# Altium PCB PCB1.PcbDoc (part 2 of 2) (continued)
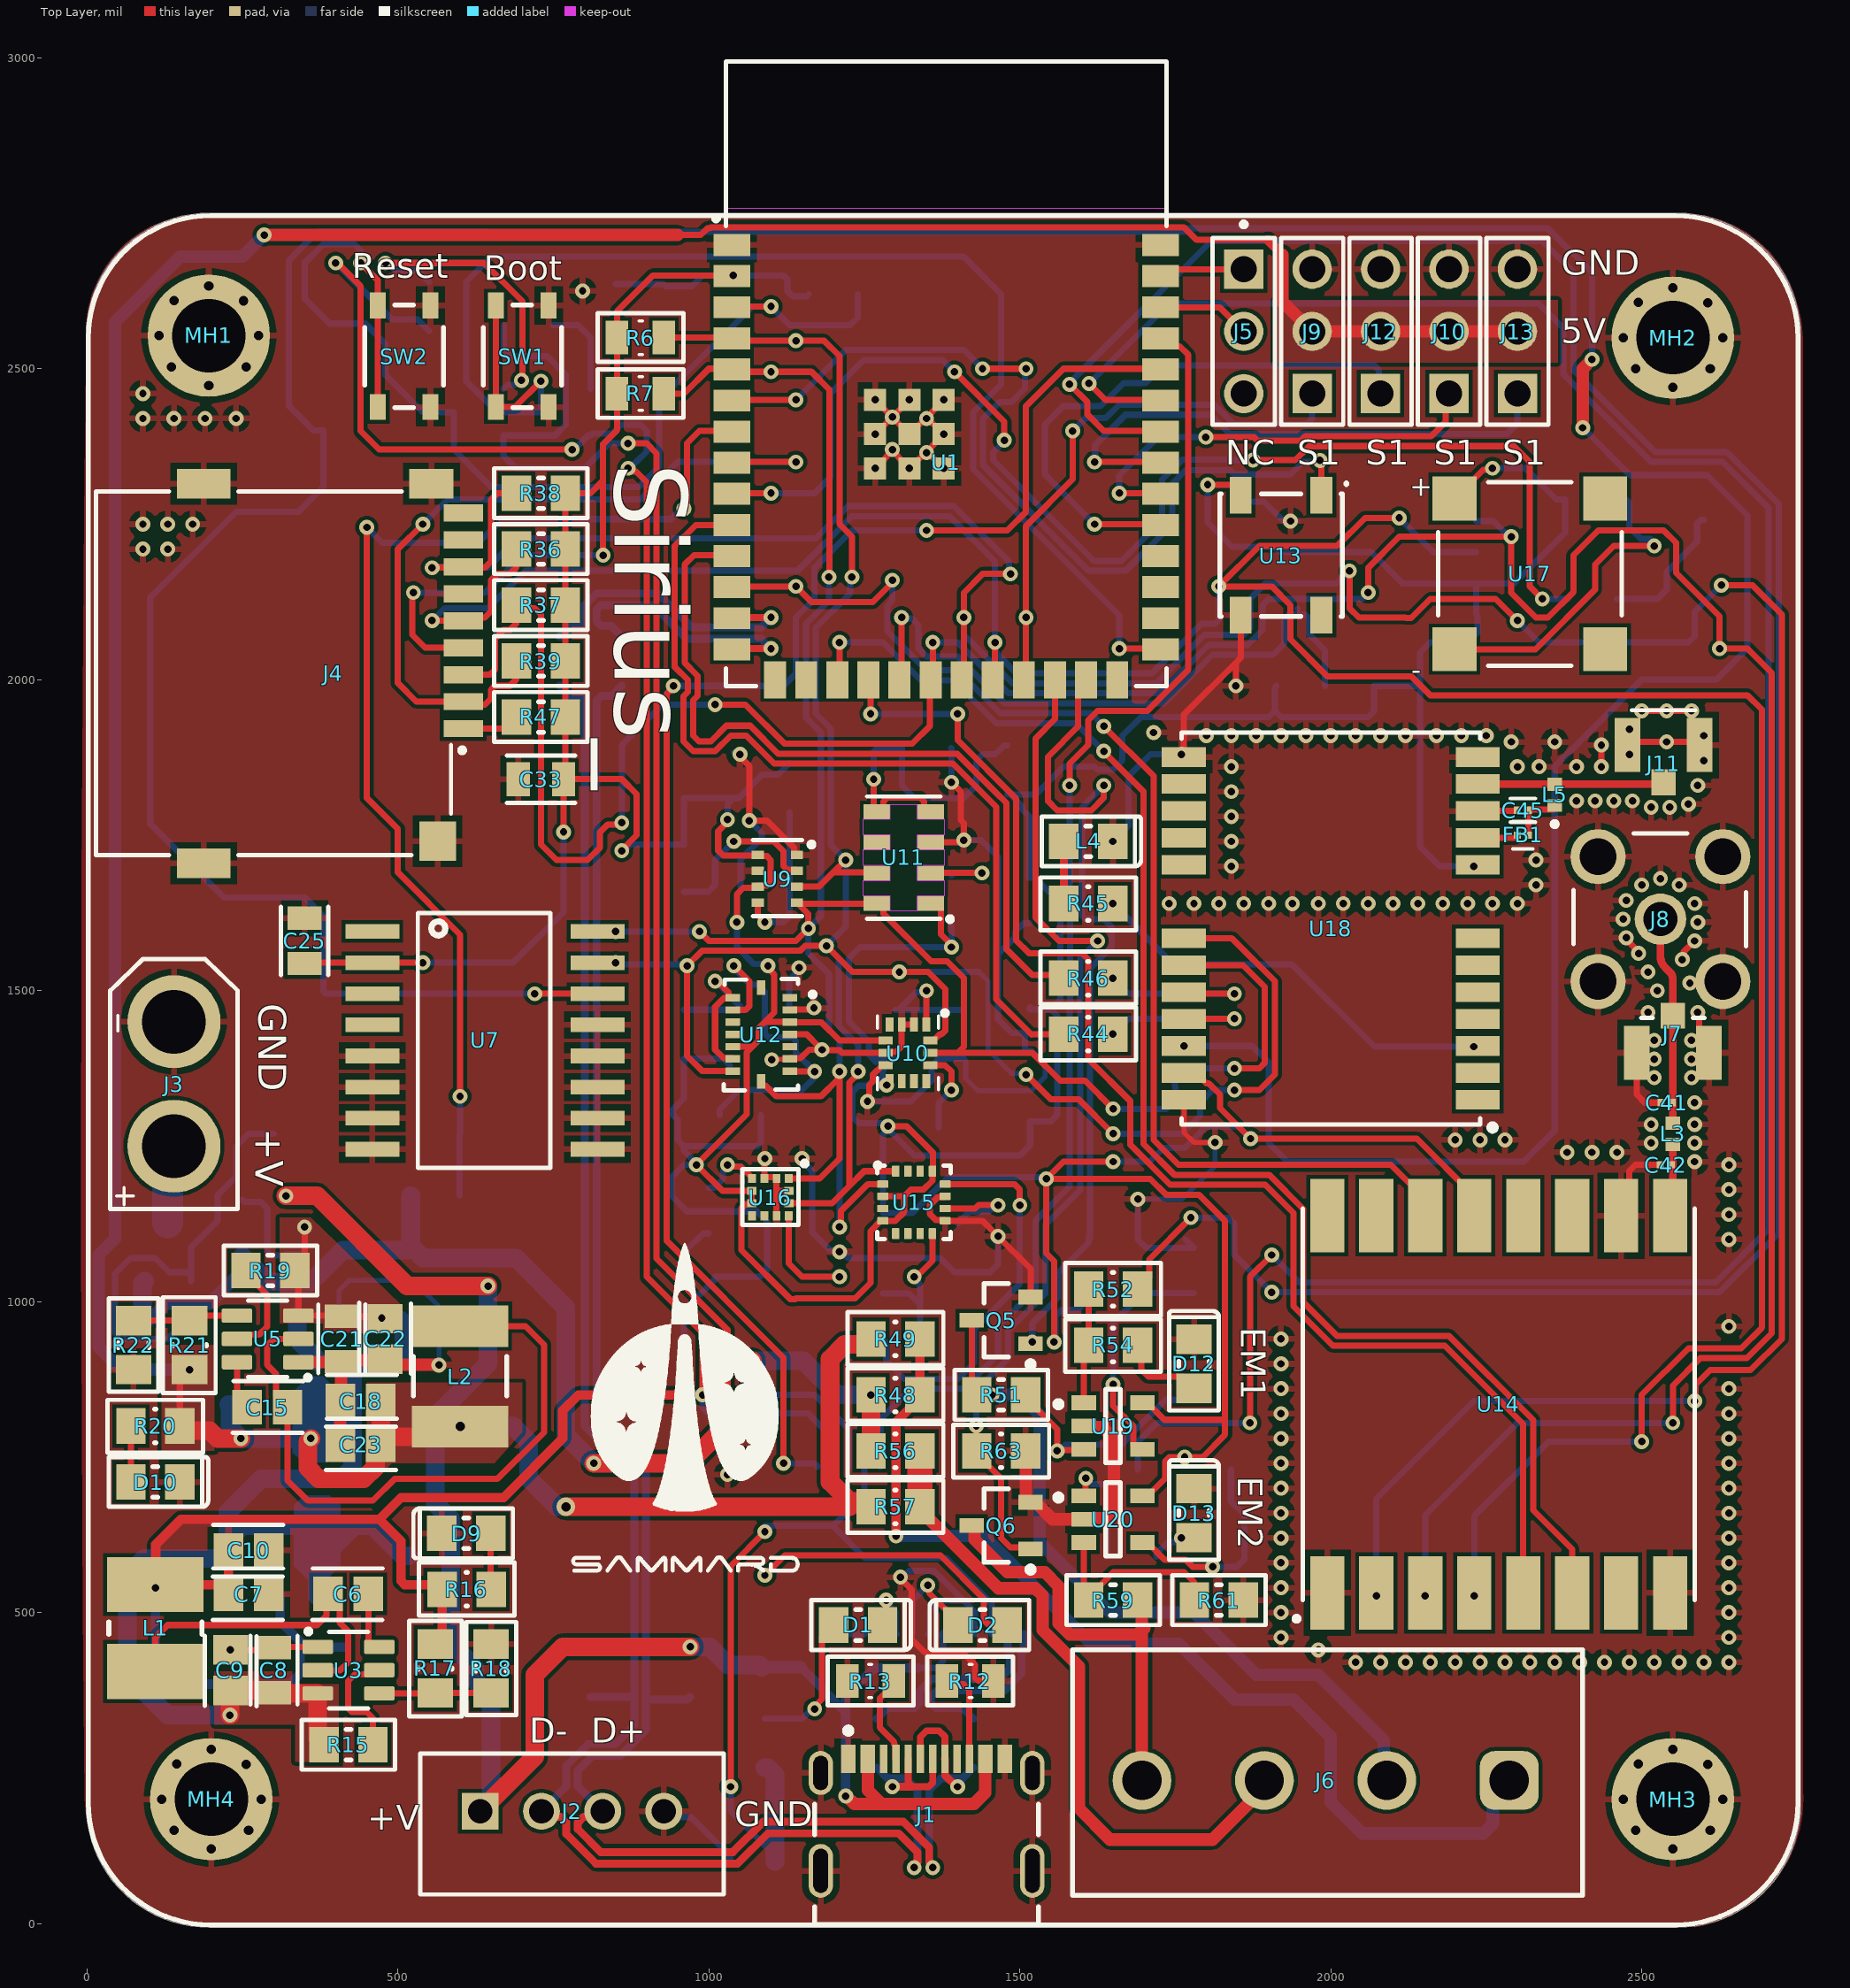
[diagram p0: Top Layer view]
## Nets (pads, with @x,y where several pads share a name; then routed paths per layer and width w, separated by ;. In a path a pad name is that pad's centre, name@x,y a point inside that pad or via, vN(x,y) a via of type N, cw(c..) or ccw(c..) an arc to the next point about the centre after c; other vN are vias at no path point) (continued)
NetC6_1: C6.1 U3.6 | length 98.8
  Top Layer w10: C6.1@452.53,530 452.53,451.42 459.14,444.8 U3.6@470,444.8
NetC6_2: C6.2 L1.1 U3.2 | length 557.8
  Top Layer w10: L1.1@110,405.24 110,460 130,480 370,480 385,495 385,527.53 C6.2@387.47,530 406.21,511.27 406.21,483.79 420,470 420,420 407.4,407.4 U3.2@371.18,407.4
NetC15_1: C15.1 U5.6 | length 79.3
  Top Layer w10: U5.6@241.18,902.6 241.18,846.29 C15.1@257.47,830
NetC15_2: C15.2 L2.1 U5.2 | length 1044.8
  Top Layer w10: U5.2@340,940 300,940 290,930 290,898.26 303.79,884.46 303.79,848.73 C15.2@322.53,830 322.53,712.47 355,680 460,680 495,715 660,715 735,790 735,930.71 705,960.71 L2.1@600,960.71
NetC34_1: C34.1 C35.1 U15.12 | length 633.8
  Top Layer w10: U15.12@1380,1189.06 1490.94,1189.06 1500,1180 v1(1500,1155)
  Bottom Layer w10: C35.1@1280,940 1285,935 1285,905 1314,876 1401,876 1426.42,901.42 1426.42,955.28 1500,1028.86 v1(1500,1155)
NetC34_2: C34.2 C35.2 U15.8 | length 254.4
  Top Layer w10: v1(1330,1040) 1333.79,1040 1359.33,1065.54 U15.8@1359.33,1109.33
  Bottom Layer w10: C35.2@1280,1012.83 1322.17,1012.83 1339.88,995.12 ; v1(1330,1040) 1330,1036.21 1340,1026.21 1340,995.24 1339.88,995.12 ; C34.2@1353.58,946.42 1339.88,960.12 1339.88,995.12
NetC39_2: C39.2 U16.4 | length 104
  Top Layer w10: v1(1030,1220) 1032.68,1217.32 1051.32,1217.32 1069.47,1199.17 U16.4@1069.47,1198.09
  Bottom Layer w10: C39.2@1000,1182.83 1008.86,1182.83 1022.56,1196.54 1022.56,1208.77 1030,1216.21 v1(1030,1220)
NetC40_2: C40.2 U15.10 | length 164.3
  Top Layer w10: U15.10@1380,1149.69 1427.99,1149.69 1433.31,1155 v1(1465,1155)
  Bottom Layer w10: C40.2@1400,1125.79 1418.62,1144.41 1450.62,1144.41 1461.21,1155 v1(1465,1155)
NetC41_2: C41.2 J7.1 J8.1 L3.1 | length 349.5
  Top Layer w12.6: J8.1@2530,1630 2530,1555 ccw(c2554.14,1555) 2537.07,1537.93 2545,1530 cw(c2532.93,1517.93) 2550,1517.93 J7.1@2550,1460.04 L3.1@2550,1287.01
NetC45_2: C45.2 FB1.1 L5.2 | length 83.9
  Top Layer w10: FB1.1@2317.48,1750 C45.2@2317.48,1790 2317.48,1790.2 2318.19,1790.91 2357.91,1790.91 L5.2@2360,1792.99
NetC46_2: C46.2 R50.1 U19.IN- | length 380
  Top Layer w10: v1(1650,867) 1650,832.59 1682.56,800.03 1682.56,769.41 1689.37,762.6 U19.IN-@1697.24,762.6
  Bottom Layer w10: v1(1650,867) 1650,965.71 1689.37,1005.08 R50.1@1689.37,1010 1692.95,1013.58 C46.2@1780,1013.58
NetC47_2: C47.2 R58.1 U20.IN- | length 337.9
  Top Layer w10: U20.IN-@1697.24,612.6 1705.12,612.6 1732.72,585 1766.77,585 1778.19,573.58 v1(1810,573.58)
  Bottom Layer w10: v1(1810,573.58) 1848.58,573.58 1860.86,585.86 1860.86,657.38 1839.37,678.86 R58.1@1839.37,730
NetD1_A: D1.A R10.1 | length 234.2
  Top Layer w10: v1(1170,345) 1170,348.79 1182.01,360.8 1182.01,461.38 D1.A@1200.63,480
  Bottom Layer w10: R10.1@1090,329.37 1150.58,329.37 1166.21,345 v1(1170,345)
NetD2_A: D2.A R11.1 | length 469.1
  Top Layer w10: v1(1090,560) 1122,592 1372.29,592 1441.83,522.46 1441.83,488.17 1450,480 D2.A@1479.37,480
NetD8_A: D8.A Q3.G R14.2 | length 709.1
  Bottom Layer w10: D8.A@173.5,970 159.53,970 129.53,940 55,940 45,950 45,1045 70,1070 110,1070 132.56,1047.44 160.59,1047.44 167.4,1040.63 Q3.G@167.4,1032.76 167.4,1087.4 210,1130 210,1171.28 240,1201.28 240,1250 260,1270 R14.2@300.63,1270
NetD9_A: D9.A R16.1 | length 90.3
  Top Layer w10: D9.A@649.33,627.4 649.33,538.03 R16.1@649.96,537.4
NetD10_A: D10.A R20.1 | length 90
  Top Layer w10: D10.A@70.63,710 R20.1@70.63,800
NetD11_A: D11.A Q4.3 U17.N | length 532.6
  Top Layer w10: U17.N@2198.94,2048.94 2328.94,2048.94 2425,2145 2425,2185 2455,2215 v1(2520,2215)
  Bottom Layer w10: D11.A@2463.5,2290 2475.02,2290 2479.86,2285.16 2479.86,2245.14 2498.19,2226.81 2513.43,2226.81 Q4.3@2520.24,2220 ; Q4.3@2520.24,2220 2520,2219.76 v1(2520,2215) 2520.24,2215.24 Q4.3@2520.24,2220
NetD12_A: D12.A R54.2 | length 139
  Top Layer w10: R54.2@1689.37,930 1695,924.37 1695,890.86 1706.61,879.25 1761.38,879.25 D12.A@1780,860.63
NetD13_A: D13.A R62.2 | length 55.9
  Bottom Layer w10: R62.2@1719.37,590 1719.37,594.92 1737.99,613.54 1749.75,613.54 1756.21,620 v1(1760,620)
NetJ1_A5: J1.A5 R13.2 | length 147.3
  Top Layer w10: R13.2@1297.6,390 1297.6,380.94 1284.49,367.83 1280.86,367.83 1275,361.98 1275,315.04 1298.01,292.04 1298.01,288.34 1299.88,286.46 1299.88,265.75 J1.A5@1300.79,264.84
NetJ1_B5: J1.B5 R12.2 | length 153.5
  Top Layer w10: R12.2@1382.4,390 1387.06,385.35 1409.65,385.35 1418.9,376.1 J1.B5@1418.9,264.84
NetJ3_VIN: J3.VIN Q3.D | length 126.9
  Bottom Layer w50: Q3.D@130,1127.24 130,1240 J3.VIN@140,1250
NetJ4_1: J4.1 R47.1 | length 93.2
  Top Layer w10: J4.1@605.12,1921.42 672.05,1921.42 R47.1@690.63,1940
NetL4_A: L4.A R45.1 | length 100
  Top Layer w12.6: R45.1@1570.63,1640 L4.A@1570.63,1740
NetQ1_1: Q1.1 R1.2 | length 490.6
  Top Layer w10: v1(480,2670) 638.39,2670 700,2608.39 700,2482.53 v1(698.74,2481.26)
  Bottom Layer w10: v1(480,2670) 483.79,2670 495.8,2657.99 531.38,2657.99 R1.2@550,2639.37 ; Q1.1@669.76,2467.4 676.57,2474.21 687.9,2474.21 694.95,2481.26 v1(698.74,2481.26)
NetQ2_1: Q2.1 R3.2 | length 151.4
  Bottom Layer w10: R3.2@749.37,2570 790,2570 809.76,2550.24 Q2.1@809.76,2467.4
NetQ4_1: Q4.1 R42.2 | length 225.7
  Bottom Layer w10: R42.2@2460,2130 2525,2130 2540,2145 2540,2173.29 2589.02,2222.3 2589.02,2250.59 2595.83,2257.4 Q4.1@2599.76,2257.4
NetR15_2: R15.2 U3.5 | length 190.5
  Top Layer w10: R15.2@459.96,287.4 459.96,330.04 450,340 425.86,340 420,345.86 420,390 430.79,400.79 463.39,400.79 U3.5@470,407.4
NetR17_1: R17.1 R18.2 U3.4 | length 180.3
  Top Layer w10: U3.4@470,370 559.37,370 R17.1@560,370.63 R18.2@650,370.63
NetR19_2: R19.2 U5.5 | length 161.3
  Top Layer w10: U5.5@241.18,940 247.8,946.61 276.61,946.61 290,960 290,1010.71 255.63,1045.08 R19.2@255.63,1050
NetR21_1: R21.1 R22.2 U5.4 | length 169.5
  Top Layer w10: R22.2@75,969.37 R21.1@165,969.37 173.03,977.4 U5.4@241.18,977.4
NetR23_1: R23.1 U9.2 | length 271.9
  Top Layer w10: v1(1040,1740) 1104.14,1740 1120,1724.14 1120,1700.54 1125.86,1694.69 1139.61,1694.69 U9.2@1141.5,1692.8
  Bottom Layer w10: R23.1@960,1658.82 998.82,1658.82 1010,1670 1010,1710 v1(1040,1740)
NetR25_1: R25.1 R26.2 U9.5 | length 248.1
  Top Layer w10: U9.5@1078.5,1641.61 1078.5,1621.5 v1(1090,1610)
  Bottom Layer w10: v1(1090,1610) 1120,1610 1130,1620 1130,1665.79 R26.2@1129.37,1666.42 1130,1667.05 R25.1@1130,1787.05
NetR27_1: R27.1 U11.2 | length 134.6
  Top Layer w10: U11.2@1356.61,1689.21 v1(1439.21,1689.21) v1@1440,1690
  Bottom Layer w10: R27.1@1390,1685.2 1394.02,1689.21 v1(1439.21,1689.21)
NetR28_1: R28.1 R33.2 U11.4 U11.5 | length 555.9
  Top Layer w10: v1(1265,1840) 1265,1792.64 U11.5@1270,1787.64 ; U11.5@1273.84,1787.64 1280.65,1794.45 1280.65,1804.01 1287.1,1810.45 1339.52,1810.45 1345.96,1804.01 1345.96,1794.45 1352.77,1787.64 U11.4@1356.61,1787.64
  Bottom Layer w10: v1(1265,1840) 1265,1884.14 1270.86,1890 R33.2@1310.63,1890 1310.63,1829.37 1329.55,1810.45 1339.52,1810.45 1339.97,1810 1410,1810 1430,1830 1430,1870 1440,1880 1460.71,1880 1475.08,1894.37 R28.1@1480,1894.37
NetR29_1: R29.1 R34.2 U10.1 | length 227.6
  Top Layer w10: U10.1@1349.53,1445.77 1349.76,1446 1349.76,1499.76 v1(1350,1500)
  Bottom Layer w10: v1(1350,1500) 1347.32,1497.32 1333.5,1497.32 1304.92,1468.74 R29.1@1300,1468.74 1409.37,1468.74 R34.2@1410,1469.37
NetR30_1: R30.1 U12.7 U12.14 | length 590.8
  Top Layer w10: U12.14@1038.27,1469.06 1059.06,1469.06 1065,1475 1065,1515 v1(1040,1540) ; U12.7@1130,1370.63 1130.31,1370.31 1169.68,1370.31 v1(1170,1370)
  Bottom Layer w10: R30.1@1017.6,1300 1017.6,1309.06 1048.54,1340 1150,1340 1170,1360 v1(1170,1370) 1140,1400 1140,1419.14 1134.14,1425 1095.86,1425 1090,1430.86 1090,1498.35 1078.81,1509.54 1066.67,1509.54 1040,1536.21 v1(1040,1540)
NetR31_1: R31.1 R35.2 U12.10 U12.15 | length 335.8
  Top Layer w10: v1(1010,1515) 1013.74,1515 1031.65,1497.09 1031.65,1489.65 1031.69,1489.61 1039.13,1489.61 1037.36,1487.83 1023.97,1487.83 1010,1473.86 1010,1405.19 1023.97,1391.22 1037.36,1391.22 U12.10@1038.27,1390.31
  Bottom Layer w10: R31.1@960,1469.37 1050,1469.37 R35.2@1050.63,1470 1050.63,1474.92 1010.55,1515 v1(1010,1515)
NetR32_2: R32.2 U10.12 | length 136.9
  Top Layer w10: U10.12@1355.93,1380.31 1379.68,1380.31 1390,1370 v1(1390,1340)
  Bottom Layer w10: R32.2@1369.37,1280 1369.37,1319.37 v1(1390,1340)
NetR40_1: R40.1 U16.10 | length 219.3
  Top Layer w10: U16.10@1128.53,1138.05 1128.53,1061.47 1150,1040 v1(1210,1040)
  Bottom Layer w10: R40.1@1157.6,1040 v1(1210,1040)
NetR44_1: R44.1 U18.21 | length 287.5
  Top Layer w10: U18.21@1763.78,1454.33 1764.45,1455 v1(1845,1455)
  Bottom Layer w10: v1(1649.37,1430) 1674.37,1455 v1(1845,1455)
NetR45_2: R45.2 U18.3 | length 682.5
  Top Layer w10: v1(2230,1410) 2235.2,1410 U18.3@2236.22,1411.02
  Bottom Layer w10: v1(1649.37,1640) 1746.87,1542.5 1937.5,1542.5 2070,1410 v1(2230,1410)
NetR46_1: R46.1 U18.20 | length 288.3
  Top Layer w10: U18.20@1763.78,1497.64 1766.42,1495 v1(1845,1495)
  Bottom Layer w10: v1(1649.37,1520) 1674.37,1495 v1(1845,1495)
NetR51_1: R51.1 R53.2 U19.IN+ | length 417.1
  Top Layer w10: R51.1@1509.37,850 1509.37,845.08 1560,794.45 v1(1560,760) 1561.3,761.3 1601.46,761.3 U19.IN+@1602.76,762.6
  Bottom Layer w10: v1(1560,760) 1563.79,760 1573.33,769.54 1662.91,769.54 1673.37,780 1673.37,781 1734.38,842.01 1761.38,842.01 R53.2@1780,860.63
NetR52_1: R52.1 R54.1 U19.OUT | length 185.9
  Top Layer w10: U19.OUT@1602.76,837.4 1602.76,922.13 R54.1@1610.63,930 R52.1@1610.63,1020
NetR59_1: R59.1 R61.2 U20.IN+ | length 323.1
  Top Layer w10: U20.IN+@1602.76,612.6 1602.76,527.87 R59.1@1610.63,520 1610.63,524.92 1642.93,557.22 1642.93,557.93 1650,565 1764.14,565 1780,549.14 1780,520.63 R61.2@1780.63,520
NetR60_1: R60.1 R62.1 U20.OUT | length 181.6
  Top Layer w10: U20.OUT@1602.76,687.4 1606,690.65 v1(1606,716)
  Bottom Layer w10: v1(1606,716) 1615.54,706.46 1634.77,706.46 1640.63,700.6 R62.1@1640.63,590
PIEZO: R42.1 U1.9 | length 2043.2
  Top Layer w10: U1.9@1038.19,2300 v1(1100,2300) ; v1(1395,2495) 1475,2415 v1(1475,2385) v1@1473,2383 ; v1(1875,2353) 1943,2353 1965.52,2375.52 2294.48,2375.52 2320,2350 2320,2150 v1(2340,2130)
  Bottom Layer w10: v1(1100,2300) 1170,2300 1195,2325 1195,2460 1249,2514 1375.82,2514 1394.82,2495 v1(1395,2495) ; v1(1475,2385) 1475,2383 1457,2365 1457,2353 1619,2191 1663.37,2191 1729,2256.63 1729,2321.63 1761.19,2353.81 1843.81,2353.81 1844.63,2353 v1(1875,2353) ; v1(2340,2130) R42.1@2381.26,2130
PYRO1_CON: R52.2 U1.34 | length 4074.9
  Top Layer w10: v1(1580,2475) 1608.84,2446.16 1608.84,2426.16 1635,2400 U1.34@1721.81,2400 ; R52.2@1689.37,1020 1707.99,1038.62 1707.99,1067.99 v1(1775,1135)
  Bottom Layer w10: v1(1580,2475) 1580,2477.53 1601.74,2499.26 1807.47,2705 2340,2705 2390,2655 2390,2497.63 2521.63,2366 2636.63,2366 2720,2282.63 2720,1110 2625,1015 v1(1905,1015) 1845,1075 1845,1125 1835,1135 v1(1775,1135)
PYRO1_EN: Q5.G R55.1 U1.25 | length 1349
  Top Layer w10: U1.25@1606.5,1999.61 1593.78,1986.89 1593.78,1924.75 1545,1875.97 1545,1805 1560,1790 1615,1790 1635,1810 v1(1635,1830)
  Bottom Layer w10: v1(1520,935) 1520,965 1561,1006 1561,1045.45 1610.63,1095.08 R55.1@1610.63,1100 ; R55.1@1610.63,1104.92 R55.1@1610.63,1100 ; v1(1635,1830) 1600,1795 1600,1620.86 1605.86,1615 1635,1615 1648,1602 1648,1570.47 1613,1535.47 1613,1102.37 R55.1@1610.63,1100
PYRO2_CON: R60.2 U1.35 | length 3981.4
  Top Layer w10: v1(1611.26,2476.26) 1637.53,2450 U1.35@1721.81,2450 ; v1(1870,805) 1870,1040 v1(1905,1075)
  Bottom Layer w10: v1(1611.26,2476.26) 1740,2605 2334,2605 2374,2565 2374,2491 2515,2350 2630,2350 2704,2276 2704,1116.63 2618.37,1031 1949,1031 v1(1905,1075) ; R60.2@1689.37,730 1689.37,774.37 1720,805 v1(1870,805)
PYRO2_EN: Q6.G R63.1 U1.24 | length 1622.2
  Top Layer w10: v1(1430,800) 1430,755.71 1470,715.71 1470,620 1485,605 1514.84,605 Q6.G@1517.24,602.6 ; U1.24@1556.5,1999.61 1556.5,1936.75 1525,1905.25 1525,1617.91 1562.91,1580 v1(1625,1580)
  Bottom Layer w10: v1(1430,800) 1430,857.37 1481,908.37 1481,953.37 1541,1013.37 1541,1123.37 1597,1179.37 1597,1552 v1(1625,1580)
RF_IN: J11.1 L5.1 U18.11 | length 294.5
  Top Layer w12.6: U18.11@2236.22,1832.28 2265.35,1832.02 L5.1@2354.49,1832.02 ; L5.1@2360,1832.01 2532.05,1832.01 J11.1@2535,1834.96
RTS_FTDI: Q1.2 R3.1 U2.3 | length 2497.4
  Top Layer w10: v1(870,2380) 900,2380 916,2364 916,1069 1030,955 v1(1030,850)
  Bottom Layer w10: R3.1@670.63,2570 670.63,2529.37 680,2520 740,2520 770,2490 770,2410 752.6,2392.6 Q1.2@669.76,2392.6 ; Q1.2@673.7,2392.6 Q1.2@669.76,2392.6 ; v1(870,2380) 840.28,2380 800.28,2340 690,2340 669.76,2360.24 Q1.2@669.76,2392.6 ; v1(1030,850) 1170,850 1224.84,795.16 U2.3@1224.84,734.41
RX_LED: D2.C U2.22 | length 172.8
  Top Layer w10: v1(1352,544) 1354.68,541.32 1354.68,530.87 1400.63,484.92 D2.C@1400.63,480
  Bottom Layer w10: U2.22@1327.2,465.59 1327.46,465.85 1327.46,519.46 v1(1352,544)
RXD1: R46.2 U1.11 | length 1290.1
  Top Layer w10: U1.11@1041.01,2204 1037.01,2200 976,2200 961,2185 961,2027.15 982,2006.15 982,1973.85 975,1966.85 975,1910 984,1901 1003.37,1901 1028.37,1926 1066.63,1926 1111.63,1881 1399.15,1881 1460.08,1820.08 1478.21,1801.94 1478.21,1566.79 1520,1525 1565.63,1525 R46.2@1570.63,1520
RXD_FTDI: U1.37 U2.5 | length 2146.4
  Top Layer w10: v1(1580,1830) 1580,1865 1610,1895 1610,1935 1625,1950 1705,1950 1771,2016 1771,2522.24 1757.14,2536.1 1738.7,2536.1 U1.37@1725.98,2548.82
  Bottom Layer w10: U2.5@1276.02,734.41 1276.02,811.02 1325,860 1410,860 1465,915 1465,960 1525,1020 1525,1130 1580,1185 1580,1477.37 1581,1478.37 1581,1646.9 1580,1647.9 v1(1580,1830)
SCK: J4.5 R36.1 U1.22 U8.6 U14.4 | length 5129.5
  Top Layer w10: v1(555,2095) 555.18,2094.82 604.94,2094.82 J4.5@605.12,2094.65 610.47,2100 640,2100 650,2110 650,2160 660,2170 680,2170 690,2180 690,2209.37 R36.1@690.63,2210 ; U1.22@1460,1998.19 v1(1460,2060) ; v1(2110,2260) 2055,2260 2010,2215 1885,2215 v1(1820,2150) 1905,2150 1935,2120 1935,2065 1995,2005 2130,2005 2160,1975 2670,1975 2693,1952 2693,958 2660,925 2575,925 2500,850 v1(2500,775)
  Bottom Layer w10: v1(555,2095) 575,2115 645,2115 705,2175 1142.37,2175 1230.37,2263 1387,2263 1460,2190 v1(1460,2060) 1461.59,2058.41 1461.59,2043.41 1495,2010 1712.12,2010 1792.12,2090 1814.14,2090 1820,2095.86 v1(1820,2150) ; v1(2110,2260) 2165,2205 U8.6@2233.7,2205 ; v1(2230.63,526.85) 2230.63,655.63 2350,775 v1(2500,775)
SCL: R7.1 U1.5 U7.16 U9.4 U10.13 U11.8 U12.8 U15.1 U16.1 U18.19 | length 3919.6
  Top Layer w10: R7.1@927.6,2460 960,2460 1000,2500 1035.83,2500 U1.5@1037.01,2498.82 ; v1(985,1595) 1000,1580 1140,1580 v1(1160,1600) 1160,1623.11 1146.34,1636.77 1146.34,1639.72 U9.4@1144.45,1641.61 ; U1.5@1038.19,2495 v1(1100,2495) 1165,2495 1194,2466 1194,2166 v1(1193,2165) ; U12.8@1084.13,1354.29 1084.13,1349.57 1086.02,1347.68 1090.75,1347.68 1108.43,1330 1180,1330 1207.32,1357.32 1207.32,1367.32 v1(1210,1370) 1210,1230 1178.09,1198.09 U16.1@1128.53,1198.09 ; U9.4@1146.34,1641.61 U9.4@1141.5,1641.61 1143.11,1640 U11.8@1270,1640 1273.84,1640 1280.65,1633.19 1280.65,1623.63 1357.29,1547 1383,1547 1410,1520 1410,1410 1400,1400 ; v1(1210,1120) 1212.68,1122.68 1212.68,1145.99 1255.75,1189.06 U15.1@1279.61,1189.06 ; U10.13@1355.93,1400 1400,1400 ; v1(1650,1310) 1605,1355 1565,1355 1520,1400 1400,1400 ; U18.19@1763.78,1540.94 1859.06,1540.94 1894,1506 1894,1384 1885,1375 v1(1845,1375)
  Bottom Layer w10: v1(850,1595) v1(985,1595) ; v1(1193,2165) 1193,2127 1156,2090 1156,1939 1180,1915 1180,1620 v1(1160,1600) 1160,1560 1193,1527 1193,1437 1210,1420 v1(1210,1370) v1(1210,1120) ; v1(1650,1310) 1735,1310 1750,1325 1750,1345 1749.14,1345.86 1749.14,1354.14 1770,1375 v1(1845,1375)
SDA: R6.1 U1.4 U7.15 U9.3 U10.14 U11.7 U12.9 U15.16 U16.11 U18.18 | length 4122.7
  Top Layer w10: R6.1@927.6,2550 1033.19,2550 1038.19,2545 v1(1140,2545) 1185,2545 1210,2520 1210,2250 1230,2230 v1(1230,2165) ; U12.9@1038.27,1370.63 989.37,1370.63 965,1395 v1(965,1540) 989,1564 1146.63,1564 1154.63,1572 v1(1189,1572) 1231,1530 v1(1306.26,1530) 1352.53,1530 1380,1502.53 1380,1435.86 1374.14,1430 1371.26,1430 1360.94,1419.69 U10.14@1355.93,1419.69 ; U16.11@1129.02,1158.23 1198.23,1158.23 1226,1186 ; U9.3@1141.5,1667.2 1177.2,1667.2 1200,1690 ; v1(1220,1710) 1200,1690 ; v1(1240,1370) 1240,1366.21 1226,1352.21 1226,1186 ; U11.7@1270,1689.21 1269.21,1690 1200,1690 ; U15.16@1300.28,1209.72 1249.72,1209.72 1226,1186 ; v1(1510,1365) 1550,1325 1595,1325 v1(1650,1270) ; U18.18@1763.78,1584.25 1840.75,1584.25 1910,1515 1910,1365 1885,1340 v1@1855,1340
  Bottom Layer w8: 1434,1530 1449,1515 1449,1404.18 1486,1367.18 1507.82,1367.18 v1(1510,1365)
  Bottom Layer w10: v1(850,1545) 852.5,1542.5 962.5,1542.5 v1(965,1540) ; v1(1230,2165) 1227.32,2162.32 1227.32,2138.69 1172,2083.37 1172,1945.63 1196,1921.63 1196,1734 v1(1220,1710) 1220,1603 v1(1189,1572) 1209,1552 1209,1443.63 1240,1412.63 v1(1240,1370) ; v1(1306.26,1530) 1434,1530 ; v1(1650,1270) 1761,1270 1790,1299 1790,1320 1810,1340 v1(1845,1340)
SERVO1: J9.1 U1.23 | length 892.4
  Top Layer w10: U1.23@1510,1998.19 v1(1510,2100) 1510,2247.37 1585,2322.37 v1(1585,2400)
  Bottom Layer w10: v1(1585,2400) 1606,2421 1638.5,2421 1659.5,2442 1813,2442 1844,2411 1962,2411 1970,2419 J9.1@1970,2460
SERVO2: J12.1 U1.31 | length 909.3
  Top Layer w10: v1(1620,2250) U1.31@1721.81,2250
  Bottom Layer w10: v1(1620,2250) 1540,2330 1540,2410.15 1569.85,2440 1630,2440 1667,2477 1702,2477 1730,2505 2048.88,2505 2070,2505 2077,2498 J12.1@2077,2463
SERVO3: J10.1 U1.32 | length 702.6
  Top Layer w10: v1(1660,2300) U1.32@1721.81,2300 ; v1(1799,2390) 1876.39,2390 1882.08,2384.31 1951.69,2384.31 1958.89,2391.52 2161.52,2391.52 2185,2415 2185,2455 J10.1@2190,2460
  Bottom Layer w10: v1(1660,2300) 1660,2328 1722,2390 v1(1799,2390)
SERVO4: J13.1 U1.33 | length 896.5
  Top Layer w10: v1(1620,2350) U1.33@1721.81,2350
  Bottom Layer w10: v1(1620,2350) 1621,2351 1621,2377 1670,2426 1806.37,2426 1837.37,2395 2283.16,2395 2300,2411.84 J13.1@2300,2460
TX_LED: D1.C U2.23 | length 103.6
  Top Layer w10: D1.C@1279.37,480 1285,485.63 v1(1285,520)
  Bottom Layer w10: v1(1285,520) 1285,516.21 1300.1,501.11 1300.1,467.11 U2.23@1301.61,465.59
TXD1: R44.2 U1.10 | length 1440.9
  Top Layer w10: U1.10@1037.01,2248.82 978.82,2248.82 945,2215 945,2020.53 966,1999.53 966,1980.47 959,1973.47 959,1901 975,1885 1010,1885 1035,1910 1060,1910 1105,1865 1392.53,1865 1462.21,1795.31 1462.21,1486.07 1519.14,1429.14 1520,1430 R44.2@1570.63,1430
TXD_FTDI: U1.36 U2.1 | length 2561
  Top Layer w10: v1(943,1990) 943,1988.14 932,1977.14 932,1098 1120,910 v1(1120,740) ; v1(1350,2240) 1480,2240 1510,2270 1510,2440 1570,2500 U1.36@1721.81,2500
  Bottom Layer w10: v1(943,1990) 1120,1990 1140,2010 1140,2100 1170,2130 1170,2180 1230,2240 v1(1350,2240) ; v1(1120,740) 1169.71,740 1173.66,736.04 U2.1@1173.66,734.41
USBD_N: D5.2 J1.A7 J1.B7 J2.2 R4.2 R8.1 | length 3100.2
  Top Layer w10.91: J1.B7@1320.47,264.84 1320.47,226.39 1326.86,220 1353.45,220 1359.84,226.39 J1.A7@1359.84,264.84
  Top Layer w12.65: J2.2@730.79,180.67 739.73,171.73 761.18,171.73 770.68,162.23 770.68,144.03 818.35,96.35 1046.35,96.35 1095,145 1305,145 1335.68,114.32 1335.68,98.75 1330,93.07 v1(1330,90) ; v1(1295,220) 1326.86,220
  Bottom Layer w12.65: J2.2@730.79,180.67 770.68,220.56 770.68,253.62 805.71,288.65 850,288.65 880,318.65 880,370 ; R4.2@760,1990.63 776.82,1973.81 793.27,1973.81 800.68,1966.41 800.68,799.32 880,720 880,370 ; D5.2@810,364.37 874.37,364.37 880,370 ; R8.1@1270,250.63 1287.3,233.33 1316.67,233.33 1335.68,214.32 1335.68,98.75 1330,93.07 v1(1330,90)
USBD_P: D4.2 J1.A6 J1.B6 J2.3 R5.2 R9.1 | length 3125.4
  Top Layer w10.91: J1.A6@1340.16,264.84 1340.16,300.16 1350,310 1370,310 1379.53,300.47 J1.B6@1379.53,264.84
  Top Layer w12.65: J2.3@829.21,180.67 820.27,171.73 798.82,171.73 789.32,162.23 789.32,151.75 826.07,115 1038.63,115 1087.28,163.65 1312.72,163.65 1354.32,122.05 1354.32,98.75 1360,93.07 v1(1360,90) ; J1.B6@1379.53,264.84 1379.95,264.43 1379.95,238.14 1398.08,220 v1(1400,220)
  Bottom Layer w12.65: J2.3@829.21,180.67 789.32,220.56 789.32,245.89 813.43,270 857.72,270 898.65,310.92 898.65,360 ; R5.2@860,1990.63 843.18,1973.81 826.73,1973.81 819.32,1966.41 819.32,807.05 898.65,727.72 898.65,360 ; D4.2@970,364.37 965.63,360 898.65,360 ; v1(1360,90) 1360,93.07 1354.32,98.75 1354.32,214.32 1373.33,233.33 1407.7,233.33 R9.1@1425,250.63
VBAT: B1.P U7.14 U18.22 | length 6699.4
  Top Layer w10: v1(720,1495) U7.14@821.1,1495
  Top Layer w20: v1(2405,2405) 2405,2500 v1(2420,2515)
  Bottom Layer w10: v1(720,1495) 384.21,1495 B1.P@380,1499.21 380,1620 350,1650 220,1650 101.72,1768.28 101.72,2131.72 240,2270 340,2270 380,2310 B1.P@380,2400.79 364.21,2400.79 325,2440 325,2674.7 371.3,2721 644,2721 645,2720 1764.5,2720 1770.5,2726 2348.7,2726 2356.45,2718.25 2420,2654.7 v1(2420,2515) ; v1(1763.78,1411.02) 1873.98,1411.02 1900,1385 1900,1255 1930,1225 2310,1225 2360,1275 2360,1860 2500,2000 2620,2000 2670,2050 2670,2264 2605,2329 2481,2329 v1(2405,2405)
VCC_RF: FB1.2 U18.9 | length 65.7
  Top Layer w10: U18.9@2236.22,1745.67 2295.87,1745.67 2300,1749.8 FB1.2@2300,1750
VCCIO: C5.2 R10.2 R11.2 U2.4 U2.17 | length 1324.4
  Top Layer w10: v1(1035,220) 1035,575 v1(1090,630)
  Bottom Layer w10: v1(1035,220) 1035,180.28 1106.42,108.86 C5.2@1106.42,100 ; R11.2@1090,639.37 1199.37,639.37 ; U2.4@1250.43,734.41 1250,733.97 1250,690 1199.37,639.37 ; U2.17@1455.16,465.59 1455.16,514.14 1381.3,588 1250.74,588 1199.37,639.37
  Bottom Layer w30: R10.2@1090,250.63 1094.92,250.63 1106.42,239.13 C5.2@1106.42,100
VIN: C8.2 C9.2 C13.2 C14.2 C19.2 C20.2 C21.2 C22.2 D6.C D7.C R15.1 R19.1 U3.3 U4.2 U5.3 U6.3 | length 2444.2
  Top Layer w10: v1(350,1120) 350,1065.63 R19.1@334.37,1050 340,1044.37 U5.3@340,977.4 409.02,977.4 C21.2@410,976.42 476.11,976.42 C22.2@480,972.53
  Top Layer w30: v1(230,335) 230,374.28 C9.2@230.59,374.87 235,374.87 296.7,374.87 C8.2@300.59,370.98 301.57,370 U3.3@371.18,370 371.18,297.44 R15.1@381.22,287.4
  Bottom Layer w10: D6.C@250,1163.5 253.5,1160 280,1160 290,1150 290,1080 295.86,1074.14 317.65,1074.14 D7.C@320,1076.5 344.14,1076.5 350,1082.35 v1(350,1120)
  Bottom Layer w30: v1(230,335) 130,335 65,400 65,560 92.21,587.21 C13.2@226.65,587.21 226.65,661.65 280,715 409.67,715 427.24,732.57 U6.3@427.24,899.69 494.76,899.69 C20.2@508.19,913.11 510,914.92 510,964.14 504.14,970 477.41,970 C19.2@470.72,976.69 ; C13.2@230,590.56 230,620 250,640 430,640 ; U4.2@370,526.38 370,580 430,640 ; C14.2@516.65,591.1 507.8,591.1 458.9,640 430,640
  other v1: 474.06,973.35
pads on no net: J1.A8 J1.B8 J4.8 J4.CD J5.3 U1.15 U1.16 U1.26 U1.28 U1.29 U1.30 U2.6 U2.8 U2.9 U2.10 U2.11 U2.12 U2.13 U2.14 U2.19 U2.24 U2.27 U2.28 U7.1 U7.3 U7.4 U10.4 U10.9 U10.10 U10.11 U11.6 U12.1 U12.5 U12.12 U12.13 U12.16 U13.DOUT U14.7 U14.11 U14.12 U14.15 U14.16 U15.3 U15.5 U15.6 U15.7 U15.14 U15.15 U16.7 U16.8 U17.1 U17.2 U18.1 U18.2 U18.4 U18.5 U18.6 U18.7 U18.14 U18.15 U18.16 U18.17

## Polygon pours and split planes (outlines as drawn)
GND on Top Layer "GND_L01_P011" (solid, pour order 11): 193,2749 cw(c190.59,2751.39) 190.58,2748 186.21,2748 ccw(c186.44,2560.81) -0.75,2561.04 ccw(c99966.4,1271.76) -3.38,206.14 ccw(c200.16,205.62) 0.07,168.28 ccw(c356.72,234.82) 8.26,133.84 ccw(c191.77,187.01) 191.57,-4.05 2585,-5.91 ccw(c2550.89,199.9) 2758.96,215 2758.96,2540.61 ccw(c2529.72,2540.61) 2726.48,2658.24 ccw(c2566.48,2562.59) 2566.48,2749
+3V3 on Top Layer "+3V3_L01_P019" (solid, pour order 19): 117,502 118,503 250,503 250,648 248,650 151.18,650 110,608.82 110,501
VIN on Top Layer "VIN_L01_P005" (solid, pour order 5): 405,260 405,385 330,385 330,405 205,405 205,320 335,320 335,260 400,260
+5V on Top Layer "+5V_L01_P003" (solid, pour order 3): 120,930 120,760 205,760 205,930
VIN on Top Layer "VIN_L01_P002" (solid, pour order 2): 505,950 505,995 360,1135 310,1135 310,965 380,965 380,950
+5V on Top Layer "+5V_L01_P001" (solid, pour order 1): 450,870 700,870 700,790 655,740 490,740 455,705 370,705 370,725 435,725 450,740
+5V on Top Layer "+5V_L01_P000" (solid, pour order 0): 1910,2610 1910,2510 2365,2510 2365,2610
GND on Bottom Layer "GND_L02_P017" (solid, pour order 17): 190,2750 2558.15,2750 cw(c2559.08,2554.08) 2755,2555 2750,180.27 cw(c2570,180) 2570,0 195.02,-4.98 cw(c194.61,189.89) 0,200 0,2560 cw(c190,2560)
+BAT_V on Bottom Layer "+BAT_V_L02_P008" (solid, pour order 8): 375,1200 550,1200 550,1100 785,1100 785,790 835,740 835,720 805,720 750,775 720,805 685,840 685,1055 615,1055 375,1055
VIN on Bottom Layer "VIN_L02_P006" (solid, pour order 6): 540,575 100,575 80,555 35,555 35,725 418.46,725 418.46,925 469.91,925 469.91,655.09 510,615 540,615

## Silkscreen, mask and mechanical layers (free items; w line width, h text height)
Top Overlay:
  drawing of 19 lines, arcs and shapes, not listed
  text "GND" at 2371,2651 h40
  text "Reset" at 426,2646 h40
  text "Boot" at 638,2642 h40
  text "5V" at 2371,2541 h40
  text "Sirius_" at 848.36,2348.32 h118.11 r270
  text "NC" at 1831,2346 h40
  text "S1" at 1946,2346 h40
  text "S1" at 2056,2346 h40
  text "S1" at 2166,2346 h40
  text "S1" at 2276,2346 h40
  text "GND" at 276,1479 h45 r270
  text "+V" at 271,1279 h45 r270
  text "EM1" at 1856,959 h40 r270
  text "EM2" at 1851,719 h40 r270
  text "D-" at 711,291 h40
  text "D+" at 811,291 h40
  text "GND" at 1041,156 h40
  text "+V" at 451,151 h40
Bottom Overlay:
  lines w7.87: 3,194.85 ccw(c199.85,194.85) 199.85,-2 2554.15,-2 ccw(c2554.15,194.85) 2751,194.85 2751,2549.15 ccw(c2554.15,2549.15) 2554.15,2746 199.85,2746 ccw(c199.85,2549.15) 3,2549.15 3,194.85
  text "monkee" at 2650,1050 h70 r90
  text "EM2-" at 1754,56 h40
  text "EM2+" at 1959,56 h40
  text "EM1-" at 2154,56 h40
  text "EM1+" at 2349,56 h40
Board Shape:
  the board outline again, w11.81

## Text inside footprints (layer, text, board x,y; h text height)
U17: Top Overlay "-" at 2129.37,2000 h32; Top Overlay "+" at 2126.5,2295 h32; Mechanical 13 "-" at 2129.37,2000 h32; Mechanical 13 "+" at 2126.5,2295 h32